# KiCad board panel_32x32_1515_r0.1.kicad_pcb (continued)
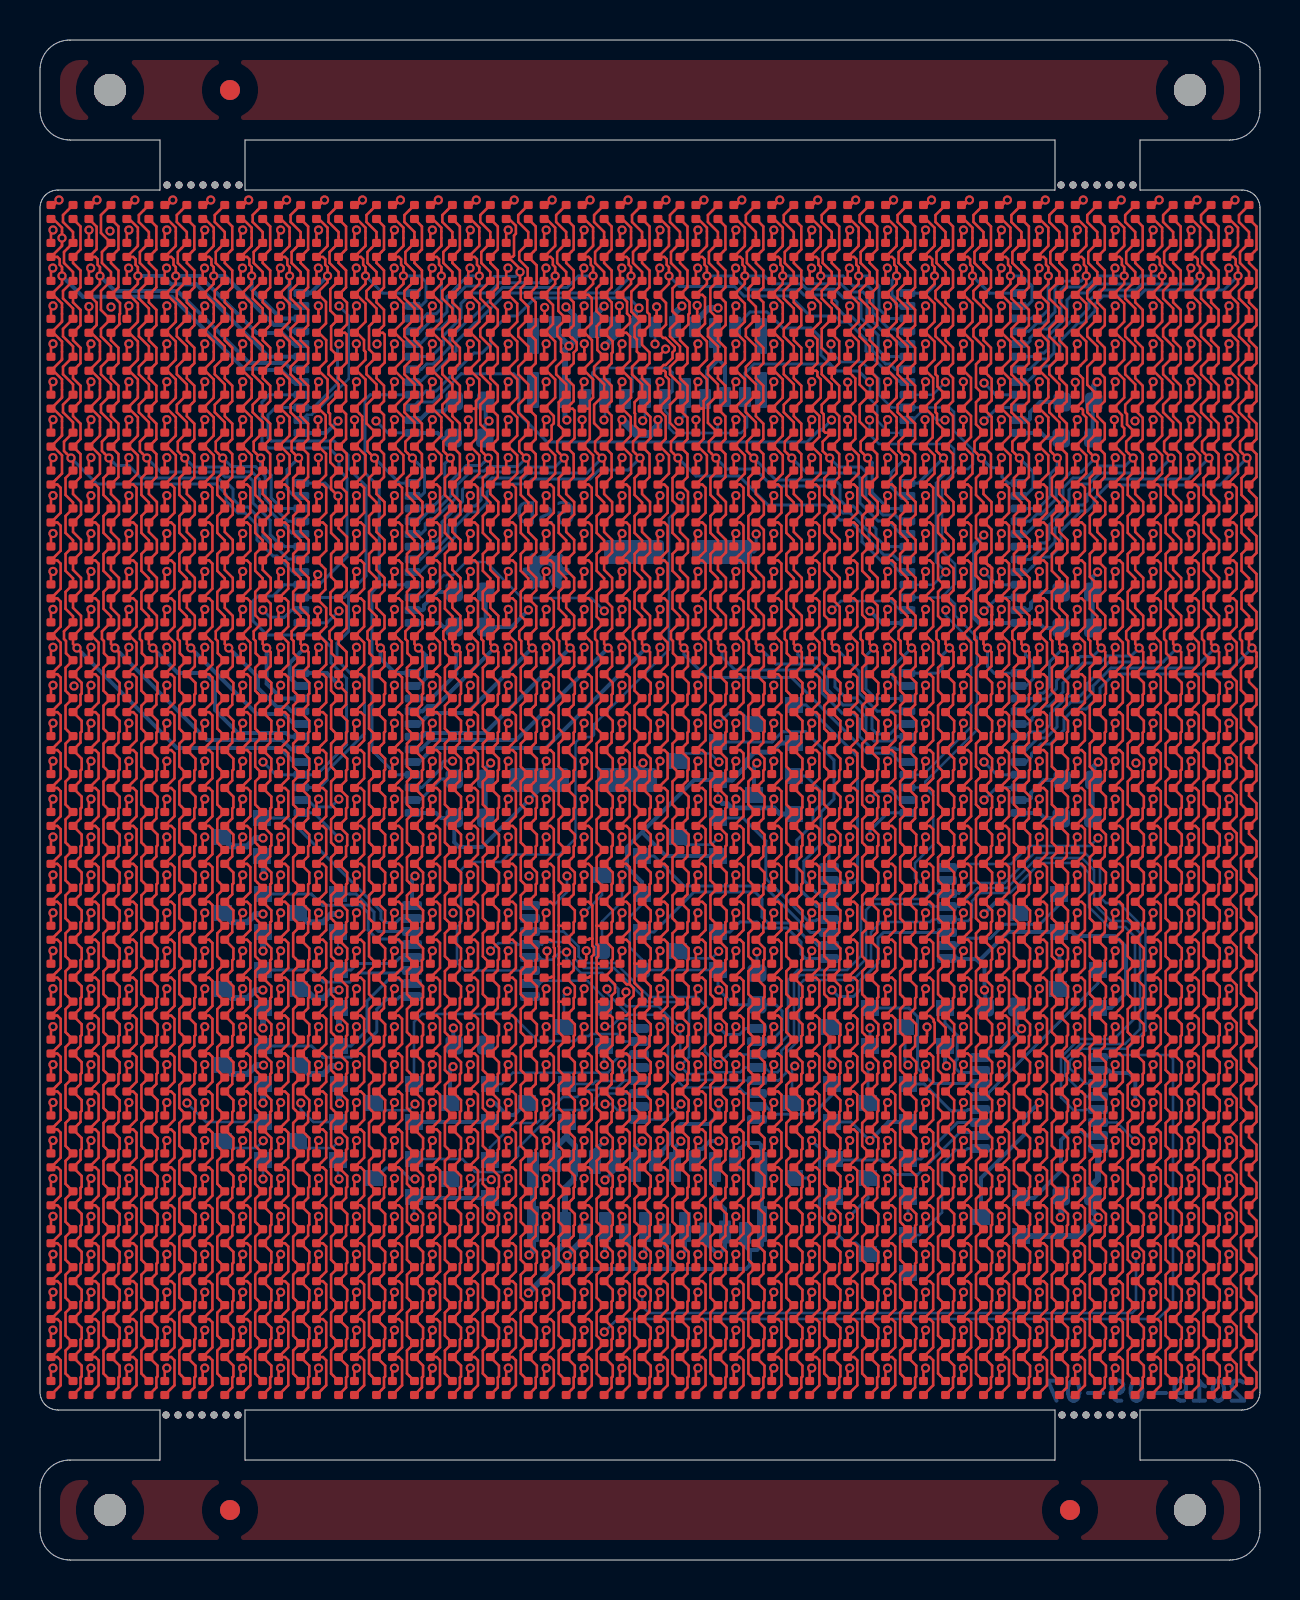
[diagram p0: board, top side]
## Nets (continued)
COL_BA4: D5.4 D37.4 D69.4 D101.4 D133.4 D165.4 D197.4 D229.4 D261.4 D293.4 D325.4 D357.4 D389.4 D421.4 D453.4 D485.4 D517.4 D549.4 D581.4 D613.4 D645.4 D677.4 D709.4 D741.4 D773.4 D805.4 D837.4 D869.4 D901.4 D933.4 D965.4 D997.4 U9.9
COL_BA5: D6.4 D38.4 D70.4 D102.4 D134.4 D166.4 D198.4 D230.4 D262.4 D294.4 D326.4 D358.4 D390.4 D422.4 D454.4 D486.4 D518.4 D550.4 D582.4 D614.4 D646.4 D678.4 D710.4 D742.4 D774.4 D806.4 D838.4 D870.4 D902.4 D934.4 D966.4 D998.4 U9.10
COL_BA6: D7.4 D39.4 D71.4 D103.4 D135.4 D167.4 D199.4 D231.4 D263.4 D295.4 D327.4 D359.4 D391.4 D423.4 D455.4 D487.4 D519.4 D551.4 D583.4 D615.4 D647.4 D679.4 D711.4 D743.4 D775.4 D807.4 D839.4 D871.4 D903.4 D935.4 D967.4 D999.4 U9.11
COL_BA7: D8.4 D40.4 D72.4 D104.4 D136.4 D168.4 D200.4 D232.4 D264.4 D296.4 D328.4 D360.4 D392.4 D424.4 D456.4 D488.4 D520.4 D552.4 D584.4 D616.4 D648.4 D680.4 D712.4 D744.4 D776.4 D808.4 D840.4 D872.4 D904.4 D936.4 D968.4 D1000.4 U9.12
COL_BA8: D9.4 D41.4 D73.4 D105.4 D137.4 D169.4 D201.4 D233.4 D265.4 D297.4 D329.4 D361.4 D393.4 D425.4 D457.4 D489.4 D521.4 D553.4 D585.4 D617.4 D649.4 D681.4 D713.4 D745.4 D777.4 D809.4 D841.4 D873.4 D905.4 D937.4 D969.4 D1001.4 U9.13
COL_BA9: D10.4 D42.4 D74.4 D106.4 D138.4 D170.4 D202.4 D234.4 D266.4 D298.4 D330.4 D362.4 D394.4 D426.4 D458.4 D490.4 D522.4 D554.4 D586.4 D618.4 D650.4 D682.4 D714.4 D746.4 D778.4 D810.4 D842.4 D874.4 D906.4 D938.4 D970.4 D1002.4 U9.14
COL_BA10: D11.4 D43.4 D75.4 D107.4 D139.4 D171.4 D203.4 D235.4 D267.4 D299.4 D331.4 D363.4 D395.4 D427.4 D459.4 D491.4 D523.4 D555.4 D587.4 D619.4 D651.4 D683.4 D715.4 D747.4 D779.4 D811.4 D843.4 D875.4 D907.4 D939.4 D971.4 D1003.4 U9.15
COL_BA11: D12.4 D44.4 D76.4 D108.4 D140.4 D172.4 D204.4 D236.4 D268.4 D300.4 D332.4 D364.4 D396.4 D428.4 D460.4 D492.4 D524.4 D556.4 D588.4 D620.4 D652.4 D684.4 D716.4 D748.4 D780.4 D812.4 D844.4 D876.4 D908.4 D940.4 D972.4 D1004.4 U9.16
COL_BA12: D13.4 D45.4 D77.4 D109.4 D141.4 D173.4 D205.4 D237.4 D269.4 D301.4 D333.4 D365.4 D397.4 D429.4 D461.4 D493.4 D525.4 D557.4 D589.4 D621.4 D653.4 D685.4 D717.4 D749.4 D781.4 D813.4 D845.4 D877.4 D909.4 D941.4 D973.4 D1005.4 U9.17
COL_BA13: D14.4 D46.4 D78.4 D110.4 D142.4 D174.4 D206.4 D238.4 D270.4 D302.4 D334.4 D366.4 D398.4 D430.4 D462.4 D494.4 D526.4 D558.4 D590.4 D622.4 D654.4 D686.4 D718.4 D750.4 D782.4 D814.4 D846.4 D878.4 D910.4 D942.4 D974.4 D1006.4 U9.18
COL_BA14: D15.4 D47.4 D79.4 D111.4 D143.4 D175.4 D207.4 D239.4 D271.4 D303.4 D335.4 D367.4 D399.4 D431.4 D463.4 D495.4 D527.4 D559.4 D591.4 D623.4 D655.4 D687.4 D719.4 D751.4 D783.4 D815.4 D847.4 D879.4 D911.4 D943.4 D975.4 D1007.4 U9.19
COL_BA15: D16.4 D48.4 D80.4 D112.4 D144.4 D176.4 D208.4 D240.4 D272.4 D304.4 D336.4 D368.4 D400.4 D432.4 D464.4 D496.4 D528.4 D560.4 D592.4 D624.4 D656.4 D688.4 D720.4 D752.4 D784.4 D816.4 D848.4 D880.4 D912.4 D944.4 D976.4 D1008.4 U9.20
COL_BA16: D17.4 D49.4 D81.4 D113.4 D145.4 D177.4 D209.4 D241.4 D273.4 D305.4 D337.4 D369.4 D401.4 D433.4 D465.4 D497.4 D529.4 D561.4 D593.4 D625.4 D657.4 D689.4 D721.4 D753.4 D785.4 D817.4 D849.4 D881.4 D913.4 D945.4 D977.4 D1009.4 U10.5
COL_BA17: D18.4 D50.4 D82.4 D114.4 D146.4 D178.4 D210.4 D242.4 D274.4 D306.4 D338.4 D370.4 D402.4 D434.4 D466.4 D498.4 D530.4 D562.4 D594.4 D626.4 D658.4 D690.4 D722.4 D754.4 D786.4 D818.4 D850.4 D882.4 D914.4 D946.4 D978.4 D1010.4 U10.6
COL_BA18: D19.4 D51.4 D83.4 D115.4 D147.4 D179.4 D211.4 D243.4 D275.4 D307.4 D339.4 D371.4 D403.4 D435.4 D467.4 D499.4 D531.4 D563.4 D595.4 D627.4 D659.4 D691.4 D723.4 D755.4 D787.4 D819.4 D851.4 D883.4 D915.4 D947.4 D979.4 D1011.4 U10.7
COL_BA19: D20.4 D52.4 D84.4 D116.4 D148.4 D180.4 D212.4 D244.4 D276.4 D308.4 D340.4 D372.4 D404.4 D436.4 D468.4 D500.4 D532.4 D564.4 D596.4 D628.4 D660.4 D692.4 D724.4 D756.4 D788.4 D820.4 D852.4 D884.4 D916.4 D948.4 D980.4 D1012.4 U10.8
COL_BA20: D21.4 D53.4 D85.4 D117.4 D149.4 D181.4 D213.4 D245.4 D277.4 D309.4 D341.4 D373.4 D405.4 D437.4 D469.4 D501.4 D533.4 D565.4 D597.4 D629.4 D661.4 D693.4 D725.4 D757.4 D789.4 D821.4 D853.4 D885.4 D917.4 D949.4 D981.4 D1013.4 U10.9
COL_BA21: D22.4 D54.4 D86.4 D118.4 D150.4 D182.4 D214.4 D246.4 D278.4 D310.4 D342.4 D374.4 D406.4 D438.4 D470.4 D502.4 D534.4 D566.4 D598.4 D630.4 D662.4 D694.4 D726.4 D758.4 D790.4 D822.4 D854.4 D886.4 D918.4 D950.4 D982.4 D1014.4 U10.10
COL_BA22: D23.4 D55.4 D87.4 D119.4 D151.4 D183.4 D215.4 D247.4 D279.4 D311.4 D343.4 D375.4 D407.4 D439.4 D471.4 D503.4 D535.4 D567.4 D599.4 D631.4 D663.4 D695.4 D727.4 D759.4 D791.4 D823.4 D855.4 D887.4 D919.4 D951.4 D983.4 D1015.4 U10.11
COL_BA23: D24.4 D56.4 D88.4 D120.4 D152.4 D184.4 D216.4 D248.4 D280.4 D312.4 D344.4 D376.4 D408.4 D440.4 D472.4 D504.4 D536.4 D568.4 D600.4 D632.4 D664.4 D696.4 D728.4 D760.4 D792.4 D824.4 D856.4 D888.4 D920.4 D952.4 D984.4 D1016.4 U10.12
COL_BA24: D25.4 D57.4 D89.4 D121.4 D153.4 D185.4 D217.4 D249.4 D281.4 D313.4 D345.4 D377.4 D409.4 D441.4 D473.4 D505.4 D537.4 D569.4 D601.4 D633.4 D665.4 D697.4 D729.4 D761.4 D793.4 D825.4 D857.4 D889.4 D921.4 D953.4 D985.4 D1017.4 U10.13
COL_BA25: D26.4 D58.4 D90.4 D122.4 D154.4 D186.4 D218.4 D250.4 D282.4 D314.4 D346.4 D378.4 D410.4 D442.4 D474.4 D506.4 D538.4 D570.4 D602.4 D634.4 D666.4 D698.4 D730.4 D762.4 D794.4 D826.4 D858.4 D890.4 D922.4 D954.4 D986.4 D1018.4 U10.14
COL_BA26: D27.4 D59.4 D91.4 D123.4 D155.4 D187.4 D219.4 D251.4 D283.4 D315.4 D347.4 D379.4 D411.4 D443.4 D475.4 D507.4 D539.4 D571.4 D603.4 D635.4 D667.4 D699.4 D731.4 D763.4 D795.4 D827.4 D859.4 D891.4 D923.4 D955.4 D987.4 D1019.4 U10.15
COL_BA27: D28.4 D60.4 D92.4 D124.4 D156.4 D188.4 D220.4 D252.4 D284.4 D316.4 D348.4 D380.4 D412.4 D444.4 D476.4 D508.4 D540.4 D572.4 D604.4 D636.4 D668.4 D700.4 D732.4 D764.4 D796.4 D828.4 D860.4 D892.4 D924.4 D956.4 D988.4 D1020.4 U10.16
COL_BA28: D29.4 D61.4 D93.4 D125.4 D157.4 D189.4 D221.4 D253.4 D285.4 D317.4 D349.4 D381.4 D413.4 D445.4 D477.4 D509.4 D541.4 D573.4 D605.4 D637.4 D669.4 D701.4 D733.4 D765.4 D797.4 D829.4 D861.4 D893.4 D925.4 D957.4 D989.4 D1021.4 U10.17
COL_BA29: D30.4 D62.4 D94.4 D126.4 D158.4 D190.4 D222.4 D254.4 D286.4 D318.4 D350.4 D382.4 D414.4 D446.4 D478.4 D510.4 D542.4 D574.4 D606.4 D638.4 D670.4 D702.4 D734.4 D766.4 D798.4 D830.4 D862.4 D894.4 D926.4 D958.4 D990.4 D1022.4 U10.18
COL_BA30: D31.4 D63.4 D95.4 D127.4 D159.4 D191.4 D223.4 D255.4 D287.4 D319.4 D351.4 D383.4 D415.4 D447.4 D479.4 D511.4 D543.4 D575.4 D607.4 D639.4 D671.4 D703.4 D735.4 D767.4 D799.4 D831.4 D863.4 D895.4 D927.4 D959.4 D991.4 D1023.4 U10.19
COL_BA31: D32.4 D64.4 D96.4 D128.4 D160.4 D192.4 D224.4 D256.4 D288.4 D320.4 D352.4 D384.4 D416.4 D448.4 D480.4 D512.4 D544.4 D576.4 D608.4 D640.4 D672.4 D704.4 D736.4 D768.4 D800.4 D832.4 D864.4 D896.4 D928.4 D960.4 D992.4 D1024.4 U10.20
COL_GA0: D1.3 D33.3 D65.3 D97.3 D129.3 D161.3 D193.3 D225.3 D257.3 D289.3 D321.3 D353.3 D385.3 D417.3 D449.3 D481.3 D513.3 D545.3 D577.3 D609.3 D641.3 D673.3 D705.3 D737.3 D769.3 D801.3 D833.3 D865.3 D897.3 D929.3 D961.3 D993.3 U5.5
COL_GA1: D2.3 D34.3 D66.3 D98.3 D130.3 D162.3 D194.3 D226.3 D258.3 D290.3 D322.3 D354.3 D386.3 D418.3 D450.3 D482.3 D514.3 D546.3 D578.3 D610.3 D642.3 D674.3 D706.3 D738.3 D770.3 D802.3 D834.3 D866.3 D898.3 D930.3 D962.3 D994.3 U5.6
COL_GA2: D3.3 D35.3 D67.3 D99.3 D131.3 D163.3 D195.3 D227.3 D259.3 D291.3 D323.3 D355.3 D387.3 D419.3 D451.3 D483.3 D515.3 D547.3 D579.3 D611.3 D643.3 D675.3 D707.3 D739.3 D771.3 D803.3 D835.3 D867.3 D899.3 D931.3 D963.3 D995.3 U5.7
COL_GA3: D4.3 D36.3 D68.3 D100.3 D132.3 D164.3 D196.3 D228.3 D260.3 D292.3 D324.3 D356.3 D388.3 D420.3 D452.3 D484.3 D516.3 D548.3 D580.3 D612.3 D644.3 D676.3 D708.3 D740.3 D772.3 D804.3 D836.3 D868.3 D900.3 D932.3 D964.3 D996.3 U5.8
COL_GA4: D5.3 D37.3 D69.3 D101.3 D133.3 D165.3 D197.3 D229.3 D261.3 D293.3 D325.3 D357.3 D389.3 D421.3 D453.3 D485.3 D517.3 D549.3 D581.3 D613.3 D645.3 D677.3 D709.3 D741.3 D773.3 D805.3 D837.3 D869.3 D901.3 D933.3 D965.3 D997.3 U5.9
COL_GA5: D6.3 D38.3 D70.3 D102.3 D134.3 D166.3 D198.3 D230.3 D262.3 D294.3 D326.3 D358.3 D390.3 D422.3 D454.3 D486.3 D518.3 D550.3 D582.3 D614.3 D646.3 D678.3 D710.3 D742.3 D774.3 D806.3 D838.3 D870.3 D902.3 D934.3 D966.3 D998.3 U5.10
COL_GA6: D7.3 D39.3 D71.3 D103.3 D135.3 D167.3 D199.3 D231.3 D263.3 D295.3 D327.3 D359.3 D391.3 D423.3 D455.3 D487.3 D519.3 D551.3 D583.3 D615.3 D647.3 D679.3 D711.3 D743.3 D775.3 D807.3 D839.3 D871.3 D903.3 D935.3 D967.3 D999.3 U5.11
COL_GA7: D8.3 D40.3 D72.3 D104.3 D136.3 D168.3 D200.3 D232.3 D264.3 D296.3 D328.3 D360.3 D392.3 D424.3 D456.3 D488.3 D520.3 D552.3 D584.3 D616.3 D648.3 D680.3 D712.3 D744.3 D776.3 D808.3 D840.3 D872.3 D904.3 D936.3 D968.3 D1000.3 U5.12
COL_GA8: D9.3 D41.3 D73.3 D105.3 D137.3 D169.3 D201.3 D233.3 D265.3 D297.3 D329.3 D361.3 D393.3 D425.3 D457.3 D489.3 D521.3 D553.3 D585.3 D617.3 D649.3 D681.3 D713.3 D745.3 D777.3 D809.3 D841.3 D873.3 D905.3 D937.3 D969.3 D1001.3 U5.13
COL_GA9: D10.3 D42.3 D74.3 D106.3 D138.3 D170.3 D202.3 D234.3 D266.3 D298.3 D330.3 D362.3 D394.3 D426.3 D458.3 D490.3 D522.3 D554.3 D586.3 D618.3 D650.3 D682.3 D714.3 D746.3 D778.3 D810.3 D842.3 D874.3 D906.3 D938.3 D970.3 D1002.3 U5.14
COL_GA10: D11.3 D43.3 D75.3 D107.3 D139.3 D171.3 D203.3 D235.3 D267.3 D299.3 D331.3 D363.3 D395.3 D427.3 D459.3 D491.3 D523.3 D555.3 D587.3 D619.3 D651.3 D683.3 D715.3 D747.3 D779.3 D811.3 D843.3 D875.3 D907.3 D939.3 D971.3 D1003.3 U5.15
COL_GA11: D12.3 D44.3 D76.3 D108.3 D140.3 D172.3 D204.3 D236.3 D268.3 D300.3 D332.3 D364.3 D396.3 D428.3 D460.3 D492.3 D524.3 D556.3 D588.3 D620.3 D652.3 D684.3 D716.3 D748.3 D780.3 D812.3 D844.3 D876.3 D908.3 D940.3 D972.3 D1004.3 U5.16
COL_GA12: D13.3 D45.3 D77.3 D109.3 D141.3 D173.3 D205.3 D237.3 D269.3 D301.3 D333.3 D365.3 D397.3 D429.3 D461.3 D493.3 D525.3 D557.3 D589.3 D621.3 D653.3 D685.3 D717.3 D749.3 D781.3 D813.3 D845.3 D877.3 D909.3 D941.3 D973.3 D1005.3 U5.17
COL_GA13: D14.3 D46.3 D78.3 D110.3 D142.3 D174.3 D206.3 D238.3 D270.3 D302.3 D334.3 D366.3 D398.3 D430.3 D462.3 D494.3 D526.3 D558.3 D590.3 D622.3 D654.3 D686.3 D718.3 D750.3 D782.3 D814.3 D846.3 D878.3 D910.3 D942.3 D974.3 D1006.3 U5.18
COL_GA14: D15.3 D47.3 D79.3 D111.3 D143.3 D175.3 D207.3 D239.3 D271.3 D303.3 D335.3 D367.3 D399.3 D431.3 D463.3 D495.3 D527.3 D559.3 D591.3 D623.3 D655.3 D687.3 D719.3 D751.3 D783.3 D815.3 D847.3 D879.3 D911.3 D943.3 D975.3 D1007.3 U5.19
COL_GA15: D16.3 D48.3 D80.3 D112.3 D144.3 D176.3 D208.3 D240.3 D272.3 D304.3 D336.3 D368.3 D400.3 D432.3 D464.3 D496.3 D528.3 D560.3 D592.3 D624.3 D656.3 D688.3 D720.3 D752.3 D784.3 D816.3 D848.3 D880.3 D912.3 D944.3 D976.3 D1008.3 U5.20
COL_GA16: D17.3 D49.3 D81.3 D113.3 D145.3 D177.3 D209.3 D241.3 D273.3 D305.3 D337.3 D369.3 D401.3 D433.3 D465.3 D497.3 D529.3 D561.3 D593.3 D625.3 D657.3 D689.3 D721.3 D753.3 D785.3 D817.3 D849.3 D881.3 D913.3 D945.3 D977.3 D1009.3 U6.5
COL_GA17: D18.3 D50.3 D82.3 D114.3 D146.3 D178.3 D210.3 D242.3 D274.3 D306.3 D338.3 D370.3 D402.3 D434.3 D466.3 D498.3 D530.3 D562.3 D594.3 D626.3 D658.3 D690.3 D722.3 D754.3 D786.3 D818.3 D850.3 D882.3 D914.3 D946.3 D978.3 D1010.3 U6.6
COL_GA18: D19.3 D51.3 D83.3 D115.3 D147.3 D179.3 D211.3 D243.3 D275.3 D307.3 D339.3 D371.3 D403.3 D435.3 D467.3 D499.3 D531.3 D563.3 D595.3 D627.3 D659.3 D691.3 D723.3 D755.3 D787.3 D819.3 D851.3 D883.3 D915.3 D947.3 D979.3 D1011.3 U6.7
COL_GA19: D20.3 D52.3 D84.3 D116.3 D148.3 D180.3 D212.3 D244.3 D276.3 D308.3 D340.3 D372.3 D404.3 D436.3 D468.3 D500.3 D532.3 D564.3 D596.3 D628.3 D660.3 D692.3 D724.3 D756.3 D788.3 D820.3 D852.3 D884.3 D916.3 D948.3 D980.3 D1012.3 U6.8
COL_GA20: D21.3 D53.3 D85.3 D117.3 D149.3 D181.3 D213.3 D245.3 D277.3 D309.3 D341.3 D373.3 D405.3 D437.3 D469.3 D501.3 D533.3 D565.3 D597.3 D629.3 D661.3 D693.3 D725.3 D757.3 D789.3 D821.3 D853.3 D885.3 D917.3 D949.3 D981.3 D1013.3 U6.9
COL_GA21: D22.3 D54.3 D86.3 D118.3 D150.3 D182.3 D214.3 D246.3 D278.3 D310.3 D342.3 D374.3 D406.3 D438.3 D470.3 D502.3 D534.3 D566.3 D598.3 D630.3 D662.3 D694.3 D726.3 D758.3 D790.3 D822.3 D854.3 D886.3 D918.3 D950.3 D982.3 D1014.3 U6.10
COL_GA22: D23.3 D55.3 D87.3 D119.3 D151.3 D183.3 D215.3 D247.3 D279.3 D311.3 D343.3 D375.3 D407.3 D439.3 D471.3 D503.3 D535.3 D567.3 D599.3 D631.3 D663.3 D695.3 D727.3 D759.3 D791.3 D823.3 D855.3 D887.3 D919.3 D951.3 D983.3 D1015.3 U6.11
COL_GA23: D24.3 D56.3 D88.3 D120.3 D152.3 D184.3 D216.3 D248.3 D280.3 D312.3 D344.3 D376.3 D408.3 D440.3 D472.3 D504.3 D536.3 D568.3 D600.3 D632.3 D664.3 D696.3 D728.3 D760.3 D792.3 D824.3 D856.3 D888.3 D920.3 D952.3 D984.3 D1016.3 U6.12
COL_GA24: D25.3 D57.3 D89.3 D121.3 D153.3 D185.3 D217.3 D249.3 D281.3 D313.3 D345.3 D377.3 D409.3 D441.3 D473.3 D505.3 D537.3 D569.3 D601.3 D633.3 D665.3 D697.3 D729.3 D761.3 D793.3 D825.3 D857.3 D889.3 D921.3 D953.3 D985.3 D1017.3 U6.13
COL_GA25: D26.3 D58.3 D90.3 D122.3 D154.3 D186.3 D218.3 D250.3 D282.3 D314.3 D346.3 D378.3 D410.3 D442.3 D474.3 D506.3 D538.3 D570.3 D602.3 D634.3 D666.3 D698.3 D730.3 D762.3 D794.3 D826.3 D858.3 D890.3 D922.3 D954.3 D986.3 D1018.3 U6.14
COL_GA26: D27.3 D59.3 D91.3 D123.3 D155.3 D187.3 D219.3 D251.3 D283.3 D315.3 D347.3 D379.3 D411.3 D443.3 D475.3 D507.3 D539.3 D571.3 D603.3 D635.3 D667.3 D699.3 D731.3 D763.3 D795.3 D827.3 D859.3 D891.3 D923.3 D955.3 D987.3 D1019.3 U6.15
COL_GA27: D28.3 D60.3 D92.3 D124.3 D156.3 D188.3 D220.3 D252.3 D284.3 D316.3 D348.3 D380.3 D412.3 D444.3 D476.3 D508.3 D540.3 D572.3 D604.3 D636.3 D668.3 D700.3 D732.3 D764.3 D796.3 D828.3 D860.3 D892.3 D924.3 D956.3 D988.3 D1020.3 U6.16
COL_GA28: D29.3 D61.3 D93.3 D125.3 D157.3 D189.3 D221.3 D253.3 D285.3 D317.3 D349.3 D381.3 D413.3 D445.3 D477.3 D509.3 D541.3 D573.3 D605.3 D637.3 D669.3 D701.3 D733.3 D765.3 D797.3 D829.3 D861.3 D893.3 D925.3 D957.3 D989.3 D1021.3 U6.17
COL_GA29: D30.3 D62.3 D94.3 D126.3 D158.3 D190.3 D222.3 D254.3 D286.3 D318.3 D350.3 D382.3 D414.3 D446.3 D478.3 D510.3 D542.3 D574.3 D606.3 D638.3 D670.3 D702.3 D734.3 D766.3 D798.3 D830.3 D862.3 D894.3 D926.3 D958.3 D990.3 D1022.3 U6.18
COL_GA30: D31.3 D63.3 D95.3 D127.3 D159.3 D191.3 D223.3 D255.3 D287.3 D319.3 D351.3 D383.3 D415.3 D447.3 D479.3 D511.3 D543.3 D575.3 D607.3 D639.3 D671.3 D703.3 D735.3 D767.3 D799.3 D831.3 D863.3 D895.3 D927.3 D959.3 D991.3 D1023.3 U6.19
COL_GA31: D32.3 D64.3 D96.3 D128.3 D160.3 D192.3 D224.3 D256.3 D288.3 D320.3 D352.3 D384.3 D416.3 D448.3 D480.3 D512.3 D544.3 D576.3 D608.3 D640.3 D672.3 D704.3 D736.3 D768.3 D800.3 D832.3 D864.3 D896.3 D928.3 D960.3 D992.3 D1024.3 U6.20
COL_RA0: D1.2 D33.2 D65.2 D97.2 D129.2 D161.2 D193.2 D225.2 D257.2 D289.2 D321.2 D353.2 D385.2 D417.2 D449.2 D481.2 D513.2 D545.2 D577.2 D609.2 D641.2 D673.2 D705.2 D737.2 D769.2 D801.2 D833.2 D865.2 D897.2 D929.2 D961.2 D993.2 U7.5
COL_RA1: D2.2 D34.2 D66.2 D98.2 D130.2 D162.2 D194.2 D226.2 D258.2 D290.2 D322.2 D354.2 D386.2 D418.2 D450.2 D482.2 D514.2 D546.2 D578.2 D610.2 D642.2 D674.2 D706.2 D738.2 D770.2 D802.2 D834.2 D866.2 D898.2 D930.2 D962.2 D994.2 U7.6
COL_RA2: D3.2 D35.2 D67.2 D99.2 D131.2 D163.2 D195.2 D227.2 D259.2 D291.2 D323.2 D355.2 D387.2 D419.2 D451.2 D483.2 D515.2 D547.2 D579.2 D611.2 D643.2 D675.2 D707.2 D739.2 D771.2 D803.2 D835.2 D867.2 D899.2 D931.2 D963.2 D995.2 U7.7
COL_RA3: D4.2 D36.2 D68.2 D100.2 D132.2 D164.2 D196.2 D228.2 D260.2 D292.2 D324.2 D356.2 D388.2 D420.2 D452.2 D484.2 D516.2 D548.2 D580.2 D612.2 D644.2 D676.2 D708.2 D740.2 D772.2 D804.2 D836.2 D868.2 D900.2 D932.2 D964.2 D996.2 U7.8
COL_RA4: D5.2 D37.2 D69.2 D101.2 D133.2 D165.2 D197.2 D229.2 D261.2 D293.2 D325.2 D357.2 D389.2 D421.2 D453.2 D485.2 D517.2 D549.2 D581.2 D613.2 D645.2 D677.2 D709.2 D741.2 D773.2 D805.2 D837.2 D869.2 D901.2 D933.2 D965.2 D997.2 U7.9
COL_RA5: D6.2 D38.2 D70.2 D102.2 D134.2 D166.2 D198.2 D230.2 D262.2 D294.2 D326.2 D358.2 D390.2 D422.2 D454.2 D486.2 D518.2 D550.2 D582.2 D614.2 D646.2 D678.2 D710.2 D742.2 D774.2 D806.2 D838.2 D870.2 D902.2 D934.2 D966.2 D998.2 U7.10
COL_RA6: D7.2 D39.2 D71.2 D103.2 D135.2 D167.2 D199.2 D231.2 D263.2 D295.2 D327.2 D359.2 D391.2 D423.2 D455.2 D487.2 D519.2 D551.2 D583.2 D615.2 D647.2 D679.2 D711.2 D743.2 D775.2 D807.2 D839.2 D871.2 D903.2 D935.2 D967.2 D999.2 U7.11
COL_RA7: D8.2 D40.2 D72.2 D104.2 D136.2 D168.2 D200.2 D232.2 D264.2 D296.2 D328.2 D360.2 D392.2 D424.2 D456.2 D488.2 D520.2 D552.2 D584.2 D616.2 D648.2 D680.2 D712.2 D744.2 D776.2 D808.2 D840.2 D872.2 D904.2 D936.2 D968.2 D1000.2 U7.12
COL_RA8: D9.2 D41.2 D73.2 D105.2 D137.2 D169.2 D201.2 D233.2 D265.2 D297.2 D329.2 D361.2 D393.2 D425.2 D457.2 D489.2 D521.2 D553.2 D585.2 D617.2 D649.2 D681.2 D713.2 D745.2 D777.2 D809.2 D841.2 D873.2 D905.2 D937.2 D969.2 D1001.2 U7.13
COL_RA9: D10.2 D42.2 D74.2 D106.2 D138.2 D170.2 D202.2 D234.2 D266.2 D298.2 D330.2 D362.2 D394.2 D426.2 D458.2 D490.2 D522.2 D554.2 D586.2 D618.2 D650.2 D682.2 D714.2 D746.2 D778.2 D810.2 D842.2 D874.2 D906.2 D938.2 D970.2 D1002.2 U7.14
COL_RA10: D11.2 D43.2 D75.2 D107.2 D139.2 D171.2 D203.2 D235.2 D267.2 D299.2 D331.2 D363.2 D395.2 D427.2 D459.2 D491.2 D523.2 D555.2 D587.2 D619.2 D651.2 D683.2 D715.2 D747.2 D779.2 D811.2 D843.2 D875.2 D907.2 D939.2 D971.2 D1003.2 U7.15
COL_RA11: D12.2 D44.2 D76.2 D108.2 D140.2 D172.2 D204.2 D236.2 D268.2 D300.2 D332.2 D364.2 D396.2 D428.2 D460.2 D492.2 D524.2 D556.2 D588.2 D620.2 D652.2 D684.2 D716.2 D748.2 D780.2 D812.2 D844.2 D876.2 D908.2 D940.2 D972.2 D1004.2 U7.16
COL_RA12: D13.2 D45.2 D77.2 D109.2 D141.2 D173.2 D205.2 D237.2 D269.2 D301.2 D333.2 D365.2 D397.2 D429.2 D461.2 D493.2 D525.2 D557.2 D589.2 D621.2 D653.2 D685.2 D717.2 D749.2 D781.2 D813.2 D845.2 D877.2 D909.2 D941.2 D973.2 D1005.2 U7.17
COL_RA13: D14.2 D46.2 D78.2 D110.2 D142.2 D174.2 D206.2 D238.2 D270.2 D302.2 D334.2 D366.2 D398.2 D430.2 D462.2 D494.2 D526.2 D558.2 D590.2 D622.2 D654.2 D686.2 D718.2 D750.2 D782.2 D814.2 D846.2 D878.2 D910.2 D942.2 D974.2 D1006.2 U7.18
COL_RA14: D15.2 D47.2 D79.2 D111.2 D143.2 D175.2 D207.2 D239.2 D271.2 D303.2 D335.2 D367.2 D399.2 D431.2 D463.2 D495.2 D527.2 D559.2 D591.2 D623.2 D655.2 D687.2 D719.2 D751.2 D783.2 D815.2 D847.2 D879.2 D911.2 D943.2 D975.2 D1007.2 U7.19
COL_RA15: D16.2 D48.2 D80.2 D112.2 D144.2 D176.2 D208.2 D240.2 D272.2 D304.2 D336.2 D368.2 D400.2 D432.2 D464.2 D496.2 D528.2 D560.2 D592.2 D624.2 D656.2 D688.2 D720.2 D752.2 D784.2 D816.2 D848.2 D880.2 D912.2 D944.2 D976.2 D1008.2 U7.20
COL_RA16: D17.2 D49.2 D81.2 D113.2 D145.2 D177.2 D209.2 D241.2 D273.2 D305.2 D337.2 D369.2 D401.2 D433.2 D465.2 D497.2 D529.2 D561.2 D593.2 D625.2 D657.2 D689.2 D721.2 D753.2 D785.2 D817.2 D849.2 D881.2 D913.2 D945.2 D977.2 D1009.2 U8.5
COL_RA17: D18.2 D50.2 D82.2 D114.2 D146.2 D178.2 D210.2 D242.2 D274.2 D306.2 D338.2 D370.2 D402.2 D434.2 D466.2 D498.2 D530.2 D562.2 D594.2 D626.2 D658.2 D690.2 D722.2 D754.2 D786.2 D818.2 D850.2 D882.2 D914.2 D946.2 D978.2 D1010.2 U8.6
COL_RA18: D19.2 D51.2 D83.2 D115.2 D147.2 D179.2 D211.2 D243.2 D275.2 D307.2 D339.2 D371.2 D403.2 D435.2 D467.2 D499.2 D531.2 D563.2 D595.2 D627.2 D659.2 D691.2 D723.2 D755.2 D787.2 D819.2 D851.2 D883.2 D915.2 D947.2 D979.2 D1011.2 U8.7
COL_RA19: D20.2 D52.2 D84.2 D116.2 D148.2 D180.2 D212.2 D244.2 D276.2 D308.2 D340.2 D372.2 D404.2 D436.2 D468.2 D500.2 D532.2 D564.2 D596.2 D628.2 D660.2 D692.2 D724.2 D756.2 D788.2 D820.2 D852.2 D884.2 D916.2 D948.2 D980.2 D1012.2 U8.8
COL_RA20: D21.2 D53.2 D85.2 D117.2 D149.2 D181.2 D213.2 D245.2 D277.2 D309.2 D341.2 D373.2 D405.2 D437.2 D469.2 D501.2 D533.2 D565.2 D597.2 D629.2 D661.2 D693.2 D725.2 D757.2 D789.2 D821.2 D853.2 D885.2 D917.2 D949.2 D981.2 D1013.2 U8.9
COL_RA21: D22.2 D54.2 D86.2 D118.2 D150.2 D182.2 D214.2 D246.2 D278.2 D310.2 D342.2 D374.2 D406.2 D438.2 D470.2 D502.2 D534.2 D566.2 D598.2 D630.2 D662.2 D694.2 D726.2 D758.2 D790.2 D822.2 D854.2 D886.2 D918.2 D950.2 D982.2 D1014.2 U8.10
COL_RA22: D23.2 D55.2 D87.2 D119.2 D151.2 D183.2 D215.2 D247.2 D279.2 D311.2 D343.2 D375.2 D407.2 D439.2 D471.2 D503.2 D535.2 D567.2 D599.2 D631.2 D663.2 D695.2 D727.2 D759.2 D791.2 D823.2 D855.2 D887.2 D919.2 D951.2 D983.2 D1015.2 U8.11
COL_RA23: D24.2 D56.2 D88.2 D120.2 D152.2 D184.2 D216.2 D248.2 D280.2 D312.2 D344.2 D376.2 D408.2 D440.2 D472.2 D504.2 D536.2 D568.2 D600.2 D632.2 D664.2 D696.2 D728.2 D760.2 D792.2 D824.2 D856.2 D888.2 D920.2 D952.2 D984.2 D1016.2 U8.12
COL_RA24: D25.2 D57.2 D89.2 D121.2 D153.2 D185.2 D217.2 D249.2 D281.2 D313.2 D345.2 D377.2 D409.2 D441.2 D473.2 D505.2 D537.2 D569.2 D601.2 D633.2 D665.2 D697.2 D729.2 D761.2 D793.2 D825.2 D857.2 D889.2 D921.2 D953.2 D985.2 D1017.2 U8.13
COL_RA25: D26.2 D58.2 D90.2 D122.2 D154.2 D186.2 D218.2 D250.2 D282.2 D314.2 D346.2 D378.2 D410.2 D442.2 D474.2 D506.2 D538.2 D570.2 D602.2 D634.2 D666.2 D698.2 D730.2 D762.2 D794.2 D826.2 D858.2 D890.2 D922.2 D954.2 D986.2 D1018.2 U8.14
COL_RA26: D27.2 D59.2 D91.2 D123.2 D155.2 D187.2 D219.2 D251.2 D283.2 D315.2 D347.2 D379.2 D411.2 D443.2 D475.2 D507.2 D539.2 D571.2 D603.2 D635.2 D667.2 D699.2 D731.2 D763.2 D795.2 D827.2 D859.2 D891.2 D923.2 D955.2 D987.2 D1019.2 U8.15
COL_RA27: D28.2 D60.2 D92.2 D124.2 D156.2 D188.2 D220.2 D252.2 D284.2 D316.2 D348.2 D380.2 D412.2 D444.2 D476.2 D508.2 D540.2 D572.2 D604.2 D636.2 D668.2 D700.2 D732.2 D764.2 D796.2 D828.2 D860.2 D892.2 D924.2 D956.2 D988.2 D1020.2 U8.16
COL_RA28: D29.2 D61.2 D93.2 D125.2 D157.2 D189.2 D221.2 D253.2 D285.2 D317.2 D349.2 D381.2 D413.2 D445.2 D477.2 D509.2 D541.2 D573.2 D605.2 D637.2 D669.2 D701.2 D733.2 D765.2 D797.2 D829.2 D861.2 D893.2 D925.2 D957.2 D989.2 D1021.2 U8.17
COL_RA29: D30.2 D62.2 D94.2 D126.2 D158.2 D190.2 D222.2 D254.2 D286.2 D318.2 D350.2 D382.2 D414.2 D446.2 D478.2 D510.2 D542.2 D574.2 D606.2 D638.2 D670.2 D702.2 D734.2 D766.2 D798.2 D830.2 D862.2 D894.2 D926.2 D958.2 D990.2 D1022.2 U8.18
COL_RA30: D31.2 D63.2 D95.2 D127.2 D159.2 D191.2 D223.2 D255.2 D287.2 D319.2 D351.2 D383.2 D415.2 D447.2 D479.2 D511.2 D543.2 D575.2 D607.2 D639.2 D671.2 D703.2 D735.2 D767.2 D799.2 D831.2 D863.2 D895.2 D927.2 D959.2 D991.2 D1023.2 U8.19
COL_RA31: D32.2 D64.2 D96.2 D128.2 D160.2 D192.2 D224.2 D256.2 D288.2 D320.2 D352.2 D384.2 D416.2 D448.2 D480.2 D512.2 D544.2 D576.2 D608.2 D640.2 D672.2 D704.2 D736.2 D768.2 D800.2 D832.2 D864.2 D896.2 D928.2 D960.2 D992.2 D1024.2 U8.20
P_LED: C1.1 C2.1 C3.1 C4.1 C5.1 C6.1 C7.1 C8.1 C9.1 C10.1 C11.1 C12.1 J1.3 J1.4 J1.5 J1.18 J1.19 J1.20 J2.3 J2.4 J2.5 J2.18 J2.19 J2.20 Q1.2 Q2.2 Q3.2 Q4.2 Q5.2 Q6.2 Q7.2 Q8.2 Q9.2 Q10.2 Q11.2 Q12.2 Q13.2 Q14.2 Q15.2 Q16.2 Q17.2 Q18.2 Q19.2 Q20.2 Q21.2 Q22.2 Q23.2 Q24.2 Q25.2 Q26.2 Q27.2 Q28.2 Q29.2 Q30.2 Q31.2 Q32.2 U1.10 U1.16 U2.10 U2.16 U3.10 U3.16 U4.10 U4.16 U5.24 U6.24 U7.24 U8.24 U9.24 U10.24
Net-(Q1-Pad1): Q1.1 U1.15
Net-(Q2-Pad1): Q2.1 U1.1
Net-(Q3-Pad1): Q3.1 U1.2
Net-(Q4-Pad1): Q4.1 U1.3
Net-(Q5-Pad1): Q5.1 U1.4
Net-(Q6-Pad1): Q6.1 U1.5
Net-(Q7-Pad1): Q7.1 U1.6
Net-(Q8-Pad1): Q8.1 U1.7
Net-(Q9-Pad1): Q9.1 U2.15
Net-(Q10-Pad1): Q10.1 U2.1
Net-(Q11-Pad1): Q11.1 U2.2
Net-(Q12-Pad1): Q12.1 U2.3
Net-(Q13-Pad1): Q13.1 U2.4
Net-(Q14-Pad1): Q14.1 U2.5
Net-(Q15-Pad1): Q15.1 U2.6
Net-(Q16-Pad1): Q16.1 U2.7
Net-(Q17-Pad1): Q17.1 U3.15
Net-(Q18-Pad1): Q18.1 U3.1
Net-(Q19-Pad1): Q19.1 U3.2
Net-(Q20-Pad1): Q20.1 U3.3
Net-(Q21-Pad1): Q21.1 U3.4
Net-(Q22-Pad1): Q22.1 U3.5
Net-(Q23-Pad1): Q23.1 U3.6
Net-(Q24-Pad1): Q24.1 U3.7
Net-(Q25-Pad1): Q25.1 U4.15
Net-(Q26-Pad1): Q26.1 U4.1
Net-(Q27-Pad1): Q27.1 U4.2
Net-(Q28-Pad1): Q28.1 U4.3
Net-(Q29-Pad1): Q29.1 U4.4
Net-(Q30-Pad1): Q30.1 U4.5
Net-(Q31-Pad1): Q31.1 U4.6
Net-(Q32-Pad1): Q32.1 U4.7
Net-(R1-Pad1): R1.1 U5.23
Net-(R2-Pad1): R2.1 U6.23
Net-(R3-Pad1): R3.1 U7.23
Net-(R4-Pad1): R4.1 U8.23
Net-(R5-Pad1): R5.1 U9.23
Net-(R6-Pad1): R6.1 U10.23
Net-(U1-Pad9): U1.9 U2.14
Net-(U2-Pad9): U2.9 U3.14
Net-(U3-Pad9): U3.9 U4.14
Net-(U5-Pad22): U5.22 U6.2
Net-(U7-Pad22): U7.22 U8.2
Net-(U10-Pad2): U9.22 U10.2

Pads without a net: J1 SH

## Via types
v1: diameter 0.46, hole 0.254, Top to Bottom, 1269 vias

## Routing (per net, layer and track width the routed paths; a pad name or vN(x,y) marks a point on that pad's centre or on a via; arc(x,y) is an arc through that point)
GND: length 109.7
  Bottom w0.127: 32.55,56.35 33.85,56.35 ; 32.55,56.35 33.29,56.35 ; 32.55,56.35 31.7,56.35 31.45,56.6 31.45,57.25 31.25,57.45 J1.9 31.62,58.42 31.62,59.38 31.4,59.6 29.6,59.6 ; 33.85,56.35 35.05,56.35 35.35,56.65 35.35,57.35 35.25,57.45 J1.1 ; 33.85,56.35 33.85,56.59 33.89,56.62 v1(33.89,56.95) ; 29.6,59.6 29.62,59.58 29.62,58.42 J1.13 ; 29.6,59.6 27.85,59.6 27.62,59.37 27.62,58.42 J1.17 ; v1(41.48,58.9) 41.5,58.88 41.5,58.05 41.86,57.69 41.86,56.97 42.47,56.36 U10.1 ; U2.8 29.47,27.05 28.94,27.05 28.57,26.68 v1(28.24,26.68)
  Bottom w0.15: v1(14.95,47.45) 14.35,46.86 U7.1 ; C4.2 35.85,30.4 v1(35.84,30.41) ; U6.1 42.38,37.36 41.5,36.47 v1(41.5,36.15) ; J1.2 35.5,62.4 36.35,62.4 37.15,61.6 38.55,61.6 39.05,61.1 39.05,60.25 39.5,59.8 ; U5.1 13.69,37.36 v1(14.95,36.1) ; 39.5,59.8 39.85,59.45 40.93,59.45 v1(41.48,58.9) ; 39.5,59.8 35.7,59.8 35.25,59.35 J1.1 ; v1(35.81,51.3) 35.81,50.51 35.7,50.4 C2.2 ; v1(39.6,36.1) 39.45,35.95 U3.8
  Bottom w0.2: 31.3,14.55 31.5,14.75 31.5,15.42 31.25,15.67 J2.9 ; 31.3,14.55 35.3,14.55 35.5,14.75 35.5,15.5 ; 31.3,14.55 29.5,14.55 ; C8.2 52.64,57.85 R6.2 ; 29.5,14.55 29.65,14.7 29.65,15.5 29.25,15.9 J2.13 ; 29.5,14.55 26.71,14.55 26.36,14.9 v1(26.36,15.23) ; v1(24.42,47.5) 23.57,46.65 C9.2 R3.2 ; 35.5,15.5 35.45,15.5 35.25,15.7 J2.1 ; 35.5,15.5 35.85,15.5 36.1,15.75 J2.SH 36.1,19.45 J2.SH 36.05,20.75 35.95,20.85 35.3,20.85 35.05,20.6 35,20.6 34.75,20.35 J2.2 ; C1.2 29.35,39.05 v1(30.15,39.85) ; C12.2 52.64,38.95 R2.2 ; U4.8 47.3,25.42 47.93,25.42 v1(49.08,26.57) 48.84,26.81 C6.2 ; v1(18.75,34.2) 18.6,34.05 U1.8 ; 21,25.7 20.67,26.03 v1(20.67,26.6) ; U8.1 42.09,46.86 v1(41.5,47.45) ; v1(22.53,39.85) 22.29,39.61 R1.2 C11.2 ; v1(22.45,56.95) 22.29,57.11 R5.2 ; v1(22.45,56.95) 22.24,56.74 C7.2 ; v1(22.45,56.95) 22.44,56.94 ; C10.2 R4.2 52.64,49.16 v1(52.88,49.4) ; U9.1 14.31,56.36 v1(14.9,56.95)
  Bottom w0.25: R6.2 52.69,58.73 v1(52.86,58.9) ; v1(52.91,39.9) 52.69,39.67 R2.2
  Bottom w0.3: v1(26.36,15.23) 27.25,16.12 J2.17 ; J2.SH J2.SH 24.65,15.45 v1(24.45,15.25) ; v1(51.02,17.13) 51.06,17.18 C5.2
